# Allegro board RK_NVR_DEMO1_RK3588_LP4XD200P232SD8_V21_20211228_final_lint.brd (continued)
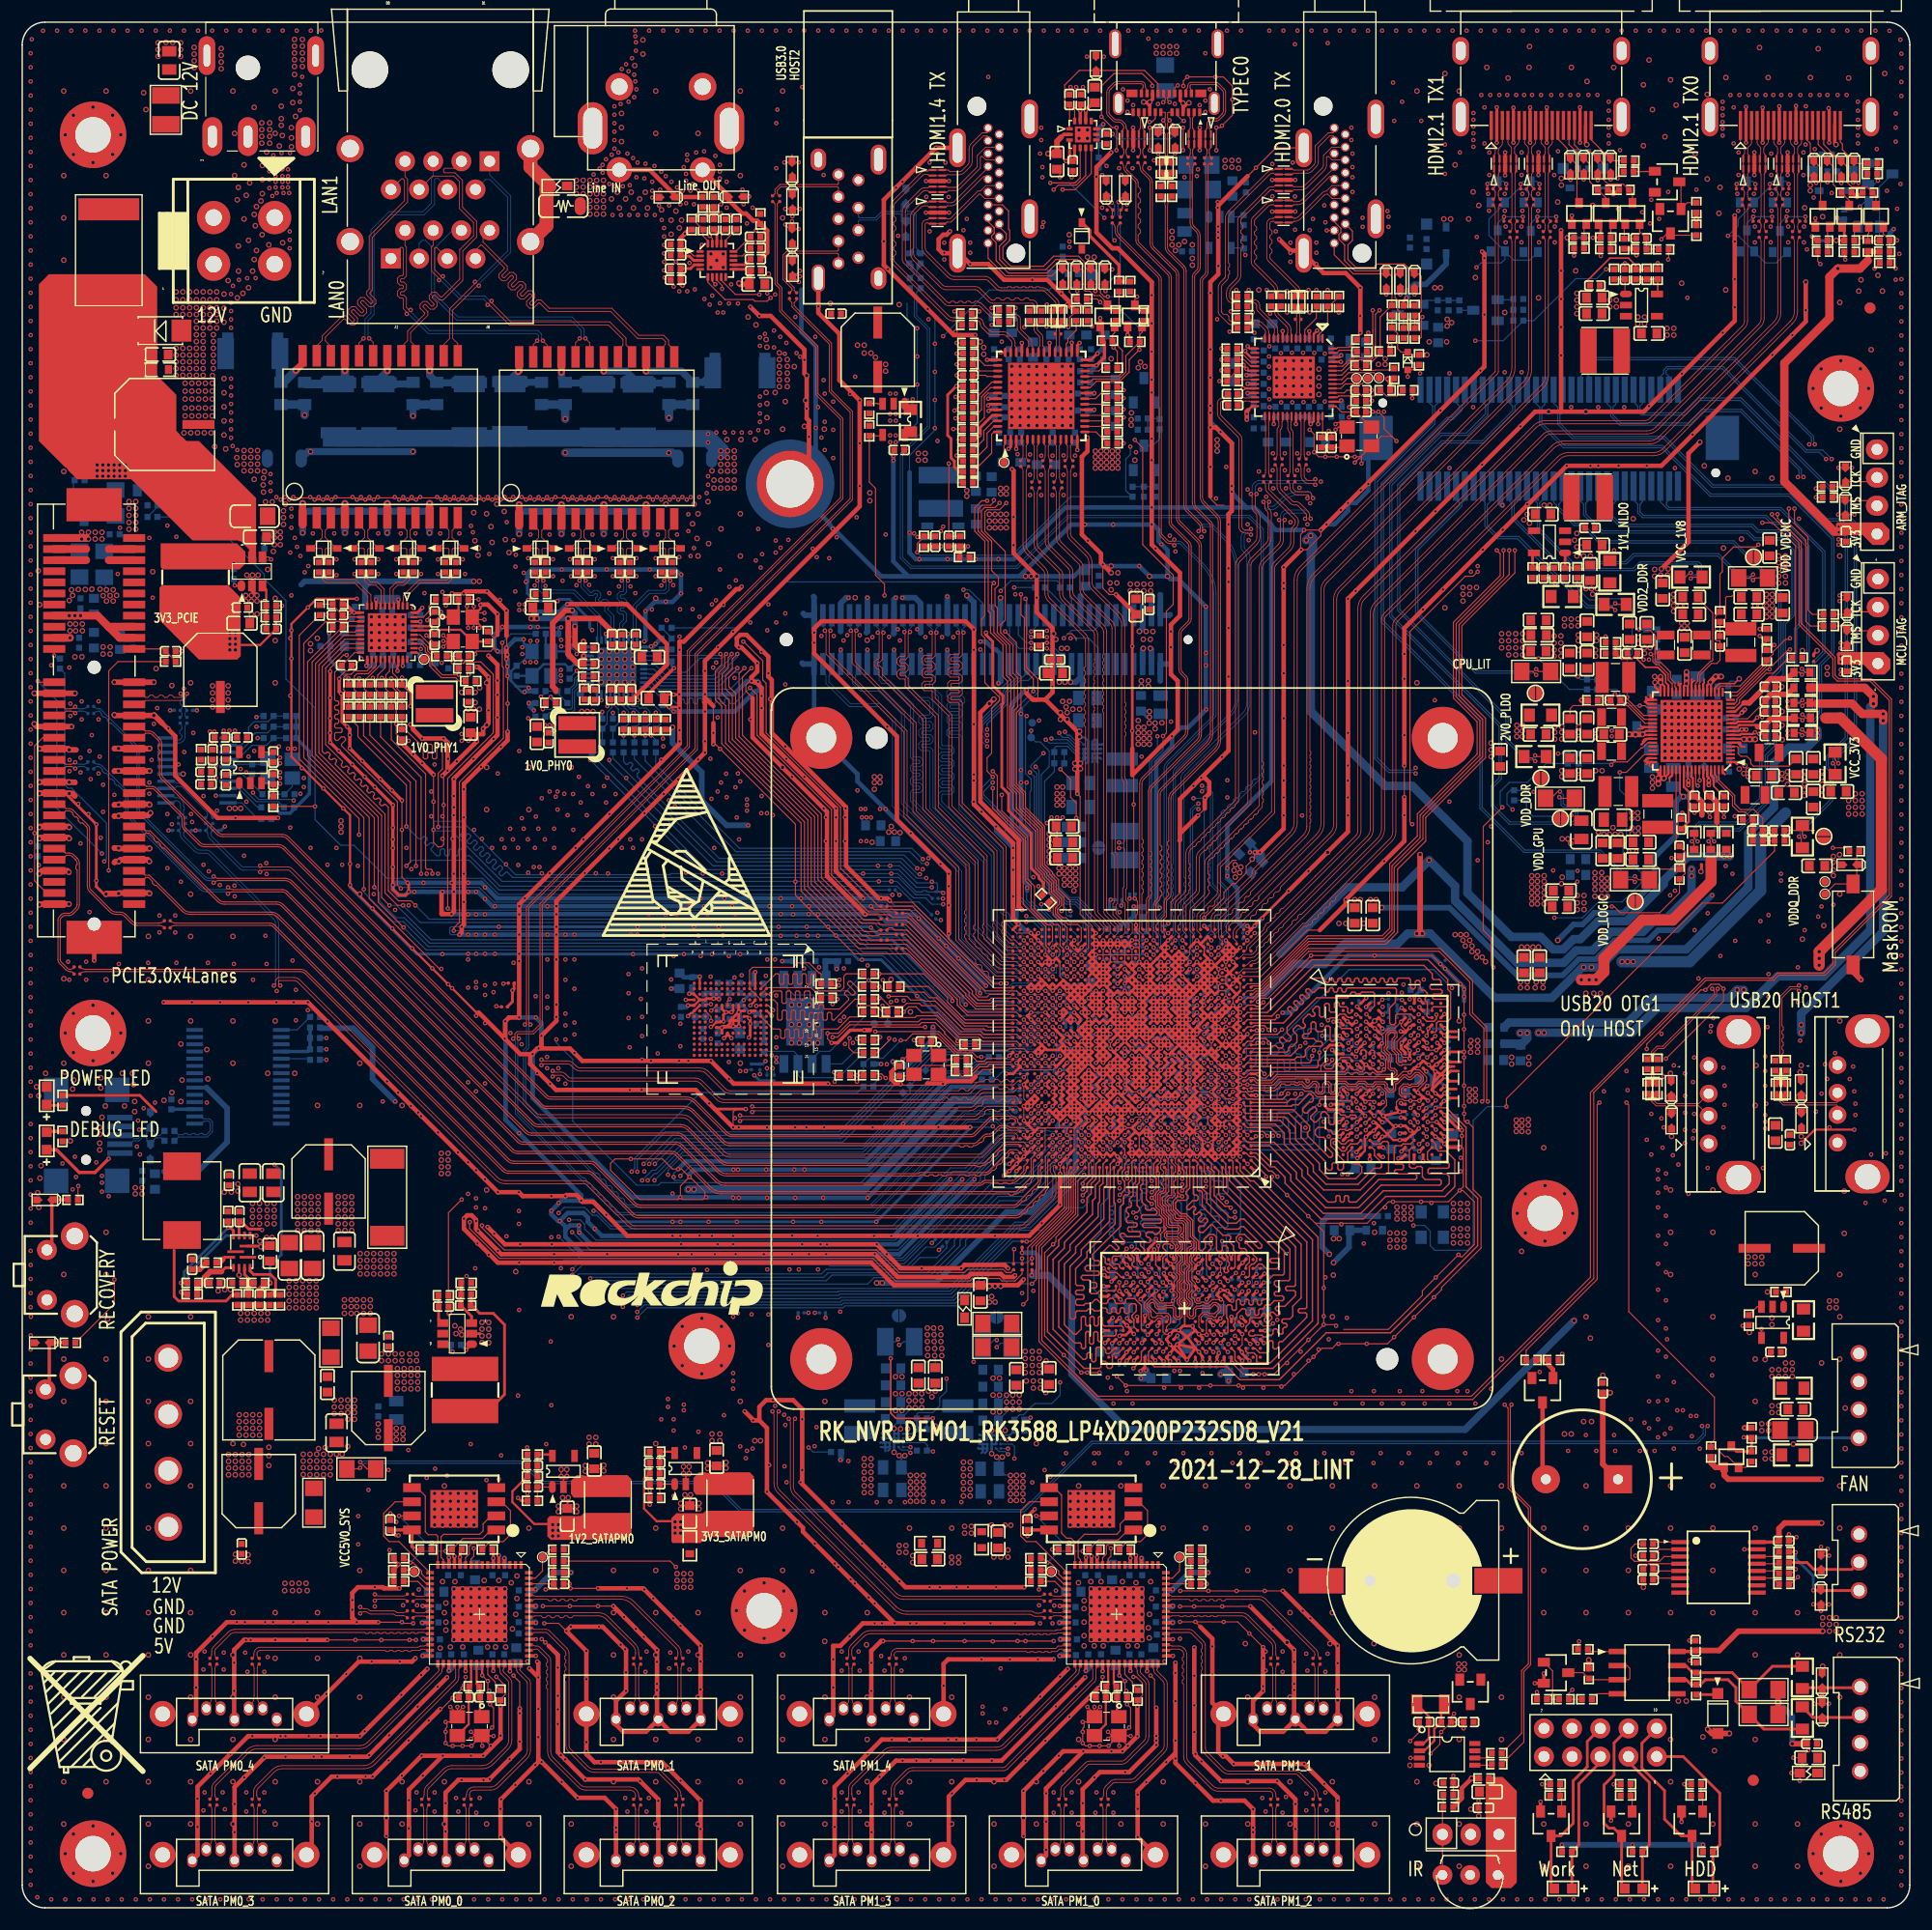
[diagram p0: board, top side]
## Routing (per net, layer and track width the routed paths; a pad name or vN(x,y) marks a point on that pad's centre or on a via; arc(x,y) is an arc through that point) (continued)
TYPEC0_SSRX1N: length 72.1
  TOP w0.084: R2502.1 106.96,157.22 arc(106.88,157.19) 106.85,157.11 106.85,147.46 arc(106.81,147.27) 106.7,147.11 106.42,146.82 arc(106.37,146.75) 106.35,146.65 106.35,127.2 arc(106.4,126.94) 106.54,126.73 107.71,125.56 arc(107.91,125.27) 107.97,124.93 107.97,105.22 arc(107.88,104.75) 107.61,104.34 103.67,100.41 arc(103.55,100.22) 103.5,100 103.5,91.35 arc(103.47,91.19) 103.38,91.06 103.2,90.87 arc(103.12,90.76) 103.1,90.63 103.1,89.35 102.83,89.08 102.83,88.28 U1000.AP13
TYPEC0_SSRX1P: length 73.2
  TOP w0.084: U1000.AN13 102.92,87.77 102.63,88.06 102.63,89.17 102.89,89.43 102.89,90.63 arc(102.94,90.84) 103.05,91.02 103.24,91.2 arc(103.28,91.27) 103.3,91.35 103.3,91.47 103.2,91.57 103.2,91.82 103.3,91.92 103.3,92.18 103.2,92.28 103.2,92.53 103.3,92.63 103.3,92.88 103.2,92.98 103.2,93.24 103.3,93.34 103.3,93.59 103.2,93.69 103.2,93.94 103.3,94.04 103.3,94.29 103.2,94.4 103.2,94.65 103.3,94.75 103.3,95 103.2,95.1 103.2,95.35 103.3,95.46 103.3,95.71 103.2,95.81 103.2,96.06 103.3,96.16 103.3,100 arc(103.36,100.3) 103.53,100.55 107.47,104.49 arc(107.69,104.83) 107.77,105.22 107.77,124.93 arc(107.72,125.19) 107.57,125.42 106.4,126.59 arc(106.21,126.87) 106.14,127.2 106.14,146.65 arc(106.18,146.82) 106.28,146.97 106.56,147.25 arc(106.62,147.35) 106.64,147.46 106.64,156.94 arc(106.61,157.09) R2503.1
TYPEC0_SSRX2N: length 73.7
  TOP w0.084: R2537.1 101.16,157.31 arc(101,157.08) 100.95,156.81 arc(100.97,156.72) 101.02,156.64 101.62,156.04 arc(101.77,155.81) 101.83,155.53 101.83,150.07 arc(101.87,149.87) 101.98,149.7 104.01,147.67 arc(104.16,147.45) 104.21,147.2 104.21,125.32 arc(104.25,125.12) 104.36,124.95 104.41,124.9 106.03,123.28 arc(106.19,123.04) 106.25,122.76 106.25,105.76 arc(106.18,105.43) 105.99,105.15 101.83,100.98 arc(101.71,100.81) 101.67,100.61 101.67,95.24 101.78,95.14 101.78,94.89 101.67,94.79 101.67,94.54 101.78,94.43 101.78,94.18 101.67,94.08 101.67,93.83 101.78,93.73 101.78,93.48 101.67,93.37 101.67,93.12 101.78,93.02 101.78,92.77 101.67,92.67 101.67,92.42 101.78,92.32 101.78,92.06 101.67,91.96 101.67,91.71 101.78,91.61 101.78,91.36 101.67,91.26 101.67,91.06 101.54,90.93 arc(101.5,90.87) 101.49,90.8 101.49,88.32 U1000.AP15
TYPEC0_SSRX2P: length 73.9
  TOP w0.084: U1000.AN15 101.62,87.67 101.28,88.01 101.28,90.8 arc(101.31,90.95) 101.4,91.07 101.47,91.14 101.47,100.61 arc(101.53,100.89) 101.68,101.13 105.85,105.29 arc(105.99,105.51) 106.04,105.76 106.04,122.76 arc(106,122.96) 105.89,123.13 104.21,124.81 arc(104.06,125.04) 104,125.32 104,147.2 arc(103.97,147.38) 103.87,147.53 101.84,149.56 arc(101.68,149.79) 101.62,150.07 101.62,155.53 arc(101.58,155.73) 101.47,155.9 100.88,156.49 arc(100.78,156.64) 100.75,156.81 arc(100.69,157.09) 100.53,157.32 R2538.1
TYPEC0_SSTX1N: length 72.9
  TOP w0.084: U1000.AN14 102.27,87.77 101.94,88.11 101.94,90.39 arc(101.98,90.6) 102.1,90.77 102.29,90.97 arc(102.32,91.01) 102.33,91.06 102.33,100.35 arc(102.39,100.63) 102.55,100.87 106.76,105.09 arc(106.98,105.42) 107.06,105.8 107.06,124.59 arc(107.03,124.71) 106.97,124.82 105.7,126.09 arc(105.5,126.38) 105.43,126.72 105.43,147.02 arc(105.48,147.23) 105.59,147.41 105.85,147.66 arc(105.92,147.76) 105.94,147.88 105.94,150.66 arc(105.89,150.92) 105.75,151.13 105.43,151.44 arc(105.28,151.67) 105.23,151.93 105.23,156.73 arc(105.18,157) C2501.1
TYPEC0_SSTX1P: length 73.1
  TOP w0.084: U1000.AP14 102.27,88.19 102.14,88.32 102.14,88.55 102.35,88.75 102.35,88.98 102.14,89.18 102.14,90.39 arc(102.17,90.52) 102.24,90.63 102.44,90.82 arc(102.51,90.93) 102.53,91.06 102.53,91.15 102.61,91.23 102.69,91.3 102.69,91.56 102.61,91.63 102.53,91.71 102.53,91.96 102.61,92.04 102.69,92.12 102.69,92.37 102.61,92.45 102.53,92.53 102.53,92.78 102.61,92.86 102.69,92.94 102.69,93.19 102.61,93.27 102.53,93.35 102.53,93.6 102.61,93.68 102.69,93.76 102.69,94.01 102.61,94.09 102.53,94.16 102.53,94.42 102.61,94.49 102.69,94.57 102.69,94.82 102.61,94.9 102.53,94.98 102.53,95.23 102.61,95.31 102.69,95.39 102.69,95.64 102.61,95.72 102.53,95.8 102.53,100.35 arc(102.57,100.55) 102.69,100.73 106.91,104.94 arc(107.17,105.34) 107.26,105.8 107.26,124.59 arc(107.22,124.79) 107.11,124.96 105.84,126.23 arc(105.69,126.46) 105.64,126.72 105.64,147.02 arc(105.66,147.15) 105.74,147.26 105.99,147.52 arc(106.11,147.68) 106.14,147.88 106.14,150.66 arc(106.08,150.99) 105.89,151.27 105.64,151.53 105.58,151.59 arc(105.47,151.75) 105.43,151.93 105.43,156.67 arc(105.49,156.97) C2502.1
TYPEC0_SSTX2N: length 74.5
  TOP w0.084: C2524.1 99.11,157.25 arc(99.21,157.1) 99.25,156.91 arc(99.29,156.69) 99.42,156.49 100.29,155.63 arc(100.33,155.56) 100.35,155.48 100.35,150.32 arc(100.39,150.12) 100.5,149.95 103.19,147.26 arc(103.3,147.1) 103.34,146.91 103.34,124.94 arc(103.38,124.71) 103.51,124.51 104.99,123.03 arc(105.09,122.88) 105.13,122.71 105.13,116.18 arc(105.1,116.06) 105.04,115.96 104.41,115.33 arc(104.26,115.12) 104.21,114.87 104.21,111.7 arc(104.27,111.44) 104.42,111.21 104.74,110.89 arc(104.8,110.8) 104.82,110.69 104.82,106 arc(104.79,105.81) 104.68,105.65 100.92,101.89 arc(100.75,101.63) 100.68,101.32 100.68,88.46 100.66,88.43 100.66,88.03 100.97,87.71 U1000.AN16
TYPEC0_SSTX2P: length 75.4
  TOP w0.084: C2525.1 99.58,157.24 arc(99.48,157.09) 99.45,156.91 arc(99.48,156.76) 99.56,156.64 99.62,156.58 100.43,155.77 arc(100.52,155.64) 100.55,155.48 100.55,155.16 100.76,154.95 100.76,154.7 100.55,154.49 100.55,154.24 100.76,154.03 100.76,153.77 100.55,153.56 100.55,153.31 100.76,153.1 100.76,152.85 100.55,152.64 100.55,152.39 100.76,152.18 100.76,151.92 100.55,151.71 100.55,151.46 100.76,151.25 100.76,151 100.55,150.79 100.55,150.32 arc(100.57,150.2) 100.64,150.09 103.34,147.4 arc(103.49,147.18) 103.54,146.91 103.54,124.94 arc(103.57,124.78) 103.66,124.66 105.14,123.17 arc(105.28,122.96) 105.33,122.71 105.33,116.18 arc(105.29,115.99) 105.18,115.82 104.55,115.19 arc(104.45,115.04) 104.42,114.87 104.42,111.7 arc(104.45,111.51) 104.56,111.35 104.57,111.35 104.88,111.03 arc(104.99,110.87) 105.03,110.69 105.03,106 arc(104.97,105.73) 104.82,105.5 101.06,101.74 arc(100.93,101.55) 100.89,101.32 100.89,96.36 101.01,96.24 101.01,95.99 100.89,95.87 100.89,95.62 101.01,95.5 101.01,95.24 100.89,95.13 100.89,94.87 101.01,94.75 101.01,94.5 100.89,94.38 100.89,94.13 101.01,94.01 101.01,93.76 100.89,93.64 100.89,93.39 101.01,93.27 101.01,93.02 100.89,92.9 100.89,92.65 101.01,92.53 101.01,92.28 100.89,92.16 100.89,91.91 101.01,91.79 101.01,91.54 100.89,91.42 100.89,88.38 100.86,88.35 100.86,88.3 U1000.AP16
TYPEC0_TX1N: length 4.3
  TOP w0.084: J2500.A3 105.1,161.66 arc(105.13,161.5) 105.22,161.37 arc(105.24,161.34) 105.25,161.3 105.25,160.47 arc(105.23,160.39) 105.19,160.33 105.16,160.3 arc(105.12,160.24) 105.11,160.17 ED2500.5 ED2500.6 105.11,158.66 105.25,158.51 105.25,158.18 arc(105.21,157.97) 105.09,157.79 C2501.2
TYPEC0_TX1P: length 4.3
  TOP w0.084: C2502.2 105.64,157.75 arc(105.5,157.95) 105.46,158.18 105.46,158.51 105.61,158.66 ED2500.7 ED2500.4 105.61,160.11 arc(105.58,160.24) 105.51,160.34 105.49,160.36 arc(105.46,160.41) 105.45,160.47 105.45,161.28 arc(105.46,161.34) 105.49,161.38 arc(105.57,161.5) 105.6,161.64 J2500.A2
TYPEC0_TX2N: length 11.8
  TOP w0.084: J2500.B3 101.35,163.8 arc(101.32,163.91) 101.26,164.01 arc(101.21,164.08) 101.2,164.15 101.2,164.26 arc(101.09,164.53) 100.83,164.63 98.73,164.63 arc(98.49,164.59) 98.3,164.46 97.94,164.1 97.91,164.07 arc(97.77,163.86) 97.72,163.62 97.72,161.82 arc(97.75,161.66) 97.85,161.52 98.25,161.11 arc(98.4,161.01) 98.58,160.98 98.79,160.98 arc(98.92,160.95) 99.03,160.88 99.13,160.77 arc(99.23,160.63) 99.26,160.47 arc(99.25,160.4) 99.21,160.35 99.16,160.3 arc(99.12,160.24) 99.11,160.18 ED2501.5 ED2501.6 99.11,158.8 arc(99.14,158.67) 99.21,158.56 arc(99.25,158.5) 99.26,158.44 99.26,158.23 arc(99.23,158.07) 99.13,157.92 C2524.2
TYPEC0_TX2P: length 11.1
  TOP w0.084: J2500.B2 100.85,163.77 arc(100.87,163.91) 100.96,164.03 arc(100.98,164.08) 100.99,164.13 100.99,164.26 arc(100.95,164.38) 100.83,164.43 98.73,164.43 arc(98.57,164.4) 98.44,164.31 98.08,163.96 98.05,163.92 arc(97.96,163.78) 97.92,163.62 97.92,161.82 arc(97.94,161.74) 97.99,161.66 98.4,161.26 arc(98.48,161.2) 98.58,161.18 98.79,161.18 arc(99,161.14) 99.18,161.02 99.35,160.85 arc(99.43,160.72) 99.46,160.57 99.46,160.47 arc(99.46,160.47) 99.46,160.47 arc(99.48,160.4) 99.52,160.34 arc(99.59,160.24) 99.61,160.11 ED2501.4 ED2501.7 99.61,158.8 arc(99.59,158.67) 99.51,158.56 arc(99.48,158.5) 99.46,158.44 99.46,158.23 arc(99.5,158.04) 99.61,157.88 C2525.2
TYPEC0_USB20_OTG_DM: length 74.2
  TOP w0.084: R2508.1 102.63,154.24 arc(102.9,153.83) 102.99,153.36 102.99,149.7 arc(103.05,149.43) 103.19,149.21 104.53,147.88 104.55,147.86 arc(104.64,147.72) 104.67,147.57 104.67,126.39 arc(104.73,126.12) 104.88,125.88 106,124.77 arc(106.11,124.61) 106.14,124.42 106.14,124.25 v1(106,124.1)
  TOP w0.102: U1000.AM12 103.57,86.89 v1(103.9,87.21)
  BOTTOM w0.084: v1(103.9,87.21) 103.89,87.21 103.78,87.33 103.78,87.59 103.91,87.72 103.91,102.25 arc(103.95,102.46) 104.07,102.63 108.93,107.5 arc(109.35,108.12) 109.5,108.86 109.5,120.83 arc(109.2,122.33) 108.35,123.6 107.33,124.62 arc(107.24,124.68) 107.13,124.71 106.43,124.71 arc(106.23,124.62) 106.14,124.42 arc(106.11,124.26) 106.02,124.12 v1(106,124.1)
TYPEC0_USB20_OTG_DP: length 74.9
  TOP w0.084: R2507.1 103.56,154.24 arc(103.29,153.83) 103.2,153.36 103.2,149.7 arc(103.23,149.51) 103.34,149.36 104.67,148.02 104.69,148 arc(104.83,147.8) 104.87,147.57 104.87,147.57 104.87,126.39 arc(104.91,126.2) 105.03,126.03 106.14,124.91 arc(106.29,124.68) 106.35,124.42 106.35,124.25 v1(106.5,124.1)
  TOP w0.102: U1000.AL12 103.57,86.24 v1(103.9,86.56)
  BOTTOM w0.084: v1(106.5,124.1) 106.47,124.12 arc(106.38,124.26) 106.35,124.42 arc(106.37,124.48) 106.43,124.5 107.13,124.5 arc(107.16,124.5) 107.19,124.48 108.21,123.46 arc(109.01,122.25) 109.29,120.83 109.29,108.86 arc(109.16,108.2) 108.79,107.64 103.92,102.77 arc(103.76,102.53) 103.71,102.25 103.71,94.09 103.6,93.99 103.6,93.74 103.71,93.63 103.71,93.38 103.6,93.28 103.6,93.03 103.71,92.93 103.71,92.68 103.6,92.57 103.6,92.32 103.71,92.22 103.71,91.97 103.6,91.87 103.6,91.62 103.71,91.52 103.71,91.26 103.6,91.16 103.6,90.91 103.71,90.81 103.71,90.56 103.6,90.46 103.6,90.21 103.71,90.1 103.71,89.85 103.6,89.75 103.6,89.5 103.71,89.4 103.71,87.81 103.58,87.68 103.58,87.04 103.9,86.72 v1(103.9,86.56)
TYPEC0_USB20_VBUSDET: length 76.9
  TOP w0.102: v1(100.25,132.33) 100.96,131.61 100.96,122.88 103.71,120.13 103.71,117.49 103.1,116.88 103.1,105.91 102.82,105.63 v1(102.79,105.63) ; U1000.AM14 102.27,86.89 v1(101.95,87.21)
  L4-S1 w0.102: v1(100.25,132.33) 101.37,133.44 101.37,136.49 99.95,137.91 99.95,140.25 99.13,141.06 99.13,148.99 97.71,150.41 97.71,151.83 97.91,152.04 97.91,153.05 97.71,153.26 v1(97.71,157.01)
  BOTTOM w0.102: v1(102.79,105.63) 102.79,104.39 101.78,103.37 101.78,88.43 101.9,88.31 101.9,87.26 v1(101.95,87.21) ; v1(97.71,157.01) 97,157.73 R2501.1 R2500.1
TYPEC1_REXT: length 1
  TOP w0.102: U1000.AG16 v1(100.65,83.96)
  BOTTOM w0.089: v1(100.65,83.96) 100.35,83.66 R1405.1
TYPEC1_USB20_HOST_DM: length 7.5
  TOP w0.084: L2502.3 146.8,73.03 146.8,72.7 147.2,72.29 148.07,72.29 148.15,72.21 148.15,71.64 148.24,71.56 D2512.1 148.91,71.56 148.99,71.64 148.99,72.21 149.08,72.29 151.06,72.29 J2502.2
TYPEC1_USB20_HOST_DP: length 7.2
  TOP w0.084: J2502.3 151.06,72.5 149.08,72.5 148.99,72.58 148.99,73.15 148.91,73.23 D2513.1 148.24,73.23 148.15,73.15 148.15,72.58 148.07,72.5 147.29,72.5 147,72.79 147,73.03 L2502.1
TYPEC1_USB20_OTG_DM: length 80
  TOP w0.084: R2524.1 146.8,76.85 146.8,77.17 147.29,77.67 147.82,77.67 152.47,82.32 152.47,82.64 v1(152.27,82.85)
  TOP w0.102: v1(105.85,86.56) 105.52,86.24 U1000.AL9
  L6-S2 w0.076: v1(152.27,82.85) 152.42,83 152.42,83.51 152.26,83.67 152.09,83.67 151.93,83.83 151.93,84 151.77,84.16 151.6,84.16 151.44,84.33 151.44,84.49 151.27,84.66 151.11,84.66 150.94,84.82 150.94,84.99 150.78,85.15 150.61,85.15 150.45,85.31 150.4,85.31 146.94,88.77 142.81,88.77 142.43,89.15 140.1,89.15 139.27,89.98 139.27,93.21 138.45,94.02 135.63,94.02 134.51,95.14 129.82,95.14 125.76,99.2 106.07,99.2 105.98,99.11 v1(105.98,99.04)
  BOTTOM w0.084: v1(105.98,99.04) 105.84,99.18 105.72,99.18 105.46,98.92 105.46,90.64 105.64,90.46 105.64,90.21 105.46,90.03 105.46,89.78 105.64,89.6 105.64,89.35 105.46,89.17 105.46,88.92 105.64,88.74 105.64,88.49 105.46,88.31 105.46,88.06 105.64,87.88 105.64,87.63 105.46,87.46 105.46,86.52 105.64,86.34 105.76,86.34 105.85,86.42 v1(105.85,86.56)
TYPEC1_USB20_OTG_DP: length 80
  TOP w0.084: R2523.1 147,76.85 147,77.09 147.38,77.46 147.9,77.46 152.68,82.24 152.68,82.75 v1(152.77,82.85)
  TOP w0.089: U1000.AK9 105.52,85.59
  TOP w0.102: 105.52,85.59 v1(105.85,85.91)
  L6-S2 w0.076: v1(152.77,82.85) 152.62,83 152.62,83.59 150.71,85.51 150.48,85.51 147.03,88.97 142.9,88.97 142.52,89.35 140.18,89.35 139.47,90.06 139.47,93.29 138.54,94.23 135.71,94.23 134.59,95.34 129.9,95.34 125.85,99.4 125.14,99.4 125.14,99.41 106.06,99.41 105.98,99.49 v1(105.98,99.54)
  BOTTOM w0.084: v1(105.85,85.91) 105.85,86.05 105.76,86.14 105.56,86.14 105.26,86.44 105.26,99 105.64,99.38 105.82,99.38 v1(105.98,99.54)
UART0_RX_M2: length 160.1
  TOP w0.102: v1(140.28,24.02) 140.18,23.92 R9502.1 ; U1000.AL28 v1(92.85,85.91)
  L4-S1 w0.102: v1(148.92,91.69) 148.92,89.86 146.48,87.42 146.48,84.37 145.57,83.46 145.57,72.38 144.96,71.77 144.96,45.15 144.45,44.65 144.45,41.7 146.07,40.07 146.07,30.32 140.28,24.53 v1(140.28,24.02)
  L6-S2 w0.102: v1(87.45,101.44) 88.29,101.44 88.69,101.03 90.8,101.03 91.72,101.95 101.81,101.95 103.23,103.37 111.56,103.37 112.07,103.88 125.52,103.88 131.1,98.29 135.51,98.29 136.52,97.27 139.98,97.27 141.82,95.43 143.62,95.43 144.31,94.73 145.87,94.73 v1(148.92,91.69)
  BOTTOM w0.089: 92.1,88.96 92.52,88.54 92.52,86.43 92.85,86.1 v1(92.85,85.91)
  BOTTOM w0.102: 92.1,88.96 89.89,91.18 89.89,95.95 88.77,97.07 88.77,98.19 86.64,100.32 86.64,100.63 v1(87.45,101.44)
UART0_TX_M2: length 163.2
  TOP w0.102: U1000.AL29 92.5,86.26 92.5,86.46 92.22,86.74 92.22,88.44 90.19,90.47 90.19,96.36 87.45,99.1 v1(87.45,100.93) ; R9507.1 R9509.1 139.37,19.34 v1(139.67,19.65)
  L4-S1 w0.102: v1(139.67,19.65) 139.67,24.35 145.77,30.45 145.77,39.95 144.14,41.57 144.14,45.05 144.65,45.56 144.65,71.87 145.26,72.48 145.26,83.46 146.28,84.47 146.28,87.52 148.48,89.73 v1(148.48,91.28)
  L6-S2 w0.102: v1(87.45,100.93) 88.47,100.93 88.57,100.83 90.89,100.83 91.8,101.74 101.89,101.74 103.32,103.17 111.65,103.17 112.16,103.67 125.43,103.67 131.02,98.09 135.41,98.09 136.42,97.07 139.88,97.07 141.72,95.23 143.53,95.23 144.33,94.43 145.75,94.43 148.48,91.7 v1(148.48,91.28)
UART2_RX_M0_DEBUG: length 76.1
  TOP w0.102: U1000.R29 v1(92.2,76.16)
  L6-S2 w0.089: v1(92.2,76.16) 91.68,75.65 89.99,75.65 89.16,74.82 88.47,74.82
  L6-S2 w0.102: v1(25.74,80.92) 31.5,80.92 34.75,84.17 46.9,84.17 56.85,74.21 69.26,74.21 70.99,75.94 76.76,75.94 77.47,76.65 78.61,76.65 79.12,76.14 81.15,76.14 81.96,75.33 84,75.33 84.5,74.82 88.47,74.82
  BOTTOM w0.102: R9100.1 26.23,80.92 v1(25.74,80.92)
UART2_TX_M0_DEBUG: length 75.4
  TOP w0.089: U1000.P29 92.52,75.19
  TOP w0.102: 92.52,75.19 v1(92.2,74.86)
  L6-S2 w0.089: v1(92.2,74.86) 91.87,74.54 91.41,74.54 91.22,74.35 91.22,74.02 91.09,73.89 90.48,73.89 90.19,73.6 88.47,73.6
  L6-S2 w0.102: 88.47,73.6 81.96,73.6 80.44,75.13 78.71,75.13 78.16,75.68 71.14,75.68 69.37,73.91 56.79,73.91 46.8,83.9 34.86,83.9 v1(27.4,76.45)
  BOTTOM w0.102: R9101.1 v1(27.4,76.45)
UART3_RX_M2: length 156.6
  TOP w0.102: R9513.2 159.42,30.16 v1(159.79,30.52) ; U1000.AL27 93.82,86.43 93.52,86.73 93.52,88.43 93.32,88.64 92.94,88.64 92.63,88.94 92.33,88.94 91.21,90.06 91.21,92.09 90.6,92.7 90.6,96.56 88.26,98.9 v1(88.26,100.32)
  L4-S1 w0.102: v1(160.6,88.13) 161.01,87.72 161.01,85.18 161.21,84.98 161.21,82.03 160.91,81.73 160.91,31.64 v1(159.79,30.52)
  L6-S2 w0.102: v1(160.6,88.13) 158.47,90.26 148.82,90.26 147.8,91.28 147.8,92.09 145.77,94.12 144.35,94.12 143.45,95.02 141.52,95.02 139.67,96.87 136.32,96.87 135.3,97.88 130.93,97.88 125.35,103.47 112.24,103.47 111.73,102.96 103.4,102.96 101.98,101.54 91.89,101.54 90.97,100.63 88.36,100.63 88.26,100.53 v1(88.26,100.32)
UART3_TX_M2: length 158.7
  TOP w0.089: U1000.AK27 v1(94.15,85.91)
  TOP w0.102: R9514.2 159.37,29.19 v1(159.99,29.81)
  L4-S1 w0.102: v1(159.99,29.81) 160.2,30.01 160.2,30.52 161.21,31.54 161.21,81.73 161.41,81.93 161.41,85.08 161.21,85.29 161.21,88.74 v1(161.82,89.35)
  L6-S2 w0.102: v1(90.5,101.44) 90.9,101.44 93.04,103.57 99.34,103.57 100.05,102.86 101.88,102.86 102.79,103.78 105.23,103.78 105.59,104.13 125.6,104.13 131.24,98.49 135.61,98.49 136.62,97.48 140.59,97.48 140.99,97.07 140.99,96.77 142.01,95.75 145.46,95.75 149.53,91.69 158.67,91.69 161.01,89.35 v1(161.82,89.35)
  BOTTOM w0.089: 93.83,88.96 93.95,88.84 93.95,87.62 94.47,87.1 94.47,86.41 94.15,86.09 v1(94.15,85.91)
  BOTTOM w0.102: v1(90.5,101.44) 90.4,101.34 90.4,97.68 91.11,96.97 91.11,93.51 91.92,92.7 91.92,91.99 93.24,90.67 93.24,89.55 93.83,88.96
USB20_HOST0_DM: length 102.6
  TOP w0.102: U1000.AL6 v1(107.8,86.56)
  BOTTOM w0.084: v1(107.8,86.56) 107.92,86.69 107.92,87.59 108.48,88.14 108.48,88.37 108.36,88.49 108.36,88.72 108.48,88.84 108.48,89.07 108.36,89.19 108.36,89.42 108.48,89.54 108.48,89.76 108.36,89.88 108.36,90.11 108.48,90.23 108.48,90.46 108.36,90.58 108.36,90.81 108.48,90.93 108.48,91.73 107.74,92.47 107.74,98.26 108.04,98.56 108.04,98.66 108.04,98.66 108.04,98.76 108.21,98.94 108.32,98.94 108.42,98.94 108.6,99.12 108.6,99.22 108.59,99.32 108.77,99.5 108.87,99.5 108.98,99.5 109.15,99.67 109.15,99.77 109.15,99.78 109.15,99.88 109.33,100.05 109.43,100.05 109.43,100.05 109.53,100.05 109.71,100.23 109.71,100.33 109.71,100.33 109.71,100.43 109.89,100.61 109.99,100.61 109.99,100.61 110.09,100.61 110.27,100.79 110.27,100.89 110.27,100.99 110.45,101.17 110.55,101.17 110.65,101.17 110.83,101.35 110.83,101.45 110.83,101.55 111.01,101.73 111.11,101.73 111.11,101.73 111.21,101.73 111.63,102.15 111.63,124.2 110.51,125.32 94.26,125.32 89.69,120.74 80.05,120.74 79.12,121.68 79.12,131.09 81.56,133.53 81.56,142.28 80.39,143.45 80.39,145.59 R2520.1
USB20_HOST0_DP: length 102.2
  TOP w0.102: U1000.AK6 v1(107.8,85.91)
  BOTTOM w0.084: v1(107.8,85.91) 107.8,86.05 108.13,86.38 108.13,87.5 108.68,88.06 108.68,91.82 107.95,92.55 107.95,98.18 111.83,102.07 111.83,124.28 110.6,125.52 94.17,125.52 89.6,120.95 80.13,120.95 79.32,121.76 79.32,131.01 81.76,133.44 81.76,142.37 80.59,143.54 80.59,145.64 R2519.1
USB20_HOST0DM: length 10.8
  BOTTOM w0.084: J2501.2 75.35,152.05 75.43,152.14 76.97,152.14 77.53,152.7 79.13,152.7 79.21,152.61 79.21,152.04 79.29,151.96 D2511.1 79.73,152.04 79.73,152.61 79.81,152.7 80.2,152.7 80.34,152.56 80.34,149.65 80.16,149.47 L2501.3
USB20_HOST0DP: length 11.2
  BOTTOM w0.084: L2501.1 80.71,149.47 80.54,149.65 80.54,152.65 80.29,152.9 79.81,152.9 79.73,152.98 79.73,153.55 79.65,153.64 D2510.1 79.29,153.64 79.21,153.55 79.21,152.98 79.13,152.9 77.44,152.9 76.88,152.34 75.43,152.34 75.35,152.43 J2501.3
USB20_HOST1_DM: length 87.8
  TOP w0.084: v1(160.09,83.15) 160.09,83.13 159.98,83.02 159.27,83.02 158.36,82.11 158.36,76.72 R2530.1
  TOP w0.102: U1000.AM7 v1(107.15,86.56)
  L6-S2 w0.076: v1(160.09,83.15) 159.94,83 159.74,83 153.72,89.02 149.02,89.02 147.27,90.77 144.94,90.77 143.94,91.77 143.94,93.45 143.04,94.35 140.81,94.35 140.47,94.7 139.92,94.7 138.97,95.65 136.01,95.65 134.9,96.77 130.63,96.77 126.41,100.98 106.47,100.98 v1(106.31,101.15)
  BOTTOM w0.084: v1(106.31,101.15) 106.42,101.03 106.75,101.03 107.26,100.53 107.26,92.29 107.97,91.58 107.97,88.25 107.49,87.76 107.1,87.76 106.73,87.39 106.73,86.55 106.94,86.34 107.06,86.34 107.15,86.42 v1(107.15,86.56)
USB20_HOST1_DP: length 88.6
  TOP w0.084: R2528.1 158.56,76.72 158.56,76.95 158.68,77.07 158.68,77.3 158.56,77.42 158.56,77.65 158.68,77.77 158.68,77.99 158.56,78.11 158.56,78.34 158.68,78.46 158.68,78.69 158.56,78.81 158.56,79.04 158.68,79.16 158.68,79.39 158.56,79.51 158.56,82.02 159.36,82.82 159.92,82.82 v1(160.09,82.64)
  TOP w0.102: U1000.AL7 v1(107.15,85.91)
  L6-S2 w0.076: v1(160.09,82.64) 159.95,82.79 159.66,82.79 153.63,88.82 148.94,88.82 147.19,90.57 144.85,90.57 143.74,91.69 143.74,93.37 142.96,94.15 140.73,94.15 140.38,94.49 139.84,94.49 138.89,95.45 135.93,95.45 134.81,96.56 130.55,96.56 126.33,100.78 106.44,100.78 v1(106.31,100.65)
  BOTTOM w0.084: v1(107.15,85.91) 107.15,86.05 107.06,86.14 106.86,86.14 106.53,86.47 106.53,87.48 107.01,87.97 107.4,87.97 107.77,88.33 107.77,88.42 107.67,88.52 107.67,88.77 107.77,88.87 107.77,89.12 107.67,89.22 107.67,89.48 107.77,89.58 107.77,89.83 107.67,89.93 107.67,90.18 107.77,90.28 107.77,90.54 107.67,90.64 107.67,90.89 107.77,90.99 107.77,91.5 107.06,92.21 107.06,92.41 107.02,92.45 106.97,92.49 106.97,92.75 107.01,92.79 107.06,92.83 107.06,93.08 107.02,93.13 106.97,93.17 106.97,93.42 107.01,93.47 107.06,93.51 107.06,93.76 107.02,93.81 106.97,93.85 106.97,94.1 107.01,94.15 107.06,94.19 107.06,94.44 107.02,94.49 106.97,94.53 106.97,94.78 107.01,94.83 107.06,94.87 107.06,95.12 107.02,95.16 106.97,95.21 106.97,95.46 107.01,95.5 107.06,95.55 107.06,100.44 106.67,100.83 106.49,100.83 v1(106.31,100.65)
USB20_HOST1DM: length 8.4
  TOP w0.084: R2531.2 158,73.06 158.08,72.98 158.27,72.98 158.36,72.89 158.36,72.69 158.68,72.37 159.78,72.37 159.86,72.29 159.86,71.72 159.95,71.64 D2514.1 160.62,71.64 160.7,71.72 160.7,72.29 160.79,72.37 163.48,72.37 163.56,72.29 J2503.2
USB20_HOST1DP: length 8
  TOP w0.084: R2527.2 158.91,73.06 158.83,72.98 158.64,72.98 158.56,72.89 158.56,72.78 158.76,72.57 159.78,72.57 159.86,72.66 159.86,73.23 159.95,73.31 D2515.1 160.62,73.31 160.7,73.23 160.7,72.66 160.79,72.57 163.48,72.57 163.56,72.66 J2503.3
USB30_2_SSRXN: length 150.4
  TOP w0.084: R2512.1 67.83,153.6 67.83,146.38 68.25,145.96 68.25,143.93 71.5,140.67 71.5,136.41 73.73,134.17 73.73,127.12 59.92,113.3 59.92,104.72 45.44,90.24 45.44,79.77 v1(45.29,79.62)
  TOP w0.102: U1000.J30 v1(91.55,71.61)
  BOTTOM w0.084: v1(91.55,71.61) 91.41,71.61 91.09,71.29 90.02,71.29 89.85,71.13 89.15,71.13 88.71,71.57 84.92,71.57 76.5,63.15 54.43,63.15 45.17,72.42 45.17,77.33 45.44,77.6 45.44,79.47 v1(45.29,79.62)
USB30_2_SSRXP: length 150.5
  TOP w0.084: v1(45.79,79.62) 45.64,79.77 45.64,90.16 60.12,104.64 60.12,113.21 73.94,127.03 73.94,134.26 71.7,136.49 71.7,140.76 68.45,144.01 68.45,146.04 68.03,146.46 68.03,153.6 R2514.1
  TOP w0.102: U1000.J31 v1(90.9,71.61)
  BOTTOM w0.084: v1(90.9,71.61) 90.78,71.49 89.93,71.49 89.77,71.33 89.24,71.33 88.8,71.77 88.57,71.77 88.45,71.89 88.22,71.89 88.1,71.77 87.87,71.77 87.75,71.89 87.52,71.89 87.4,71.77 87.18,71.77 87.06,71.89 86.83,71.89 86.71,71.77 86.48,71.77 86.36,71.89 86.13,71.89 86.01,71.77 85.78,71.77 85.66,71.89 85.44,71.89 85.32,71.77 84.83,71.77 76.42,63.36 54.51,63.36 54.27,63.6 54.27,63.8 54.1,63.98 54,63.98 53.89,63.98 53.72,64.16 53.72,64.36 53.54,64.54 53.44,64.54 53.34,64.54 53.16,64.71 53.16,64.92 52.98,65.09 52.88,65.09 52.78,65.09 52.6,65.27 52.6,65.47 52.42,65.65 52.32,65.65 52.22,65.65 52.04,65.83 52.04,66.03 51.86,66.21 51.76,66.21 51.66,66.21 45.37,72.5 45.37,77.24 45.64,77.51 45.64,79.47 v1(45.79,79.62)
USB30_2_SSTXN: length 145.2
  TOP w0.084: C2509.1 69.14,144.91 69.35,144.7 69.35,144.33 72.72,140.96 72.72,136.69 74.6,134.82 74.6,127.02 60.63,113.05 60.63,104.49 46.66,90.52 46.66,79.65 45.99,78.99 44.6,78.99 44.39,78.78 44.39,78.5 v1(44.24,78.35)
  TOP w0.127: U1000.H29 v1(92.2,70.96)
  BOTTOM w0.084: v1(44.24,78.35) 44.44,78.16 44.44,71.55 53.52,62.47 76.81,62.47 85.18,70.84 87.78,70.84 88.19,70.43 91.72,70.43 91.97,70.68 91.97,70.88 92.06,70.96 v1(92.2,70.96)
USB30_2_SSTXP: length 145.3
  TOP w0.084: v1(44.75,78.35) 44.6,78.5 44.6,78.7 44.68,78.78 46.08,78.78 46.86,79.57 46.86,90.43 60.83,104.4 60.83,112.96 74.8,126.93 74.8,134.9 72.92,136.78 72.92,141.05 69.56,144.41 69.56,144.7 69.77,144.91 C2510.1
  TOP w0.127: U1000.H30 v1(91.55,70.96)
  BOTTOM w0.084: v1(91.55,70.96) 91.69,70.96 91.77,70.88 91.77,70.76 91.64,70.63 89.92,70.63 89.8,70.75 89.57,70.75 89.45,70.63 89.22,70.63 89.1,70.75 88.88,70.75 88.76,70.63 88.27,70.63 87.86,71.04 85.09,71.04 76.72,62.67 53.61,62.67 53.44,62.84 53.44,63.01 53.27,63.18 53.1,63.18 52.92,63.36 52.92,63.53 52.74,63.71 52.57,63.71 52.39,63.89 52.39,64.06 52.22,64.23 52.05,64.23 51.87,64.41 51.87,64.58 51.69,64.76 51.52,64.76 51.34,64.94 51.34,65.11 51.16,65.28 51,65.28 50.82,65.46 50.82,65.63 50.64,65.81 50.47,65.81 44.64,71.64 44.64,78.25 v1(44.75,78.35)
USB30_HOST2_SSRXN: length 8.3
  TOP w0.084: R2512.2 67.83,154.53 67.83,154.9 68.27,155.34 68.86,155.34 69.06,155.54 69.06,155.75 D2507.1 69.77,155.69 69.77,155.43 69.86,155.34 73.46,155.34 73.55,155.43 J2501.5
USB30_HOST2_SSRXP: length 8
  TOP w0.084: J2501.6 73.55,155.05 73.46,155.14 69.87,155.14 69.77,155.04 69.77,154.79 D2506.1 69.09,154.7 69.09,154.96 68.91,155.14 68.36,155.14 68.03,154.81 68.03,154.53 R2514.2